# Altium PCB PCB3.PcbDoc (part 4 of 5) (continued)
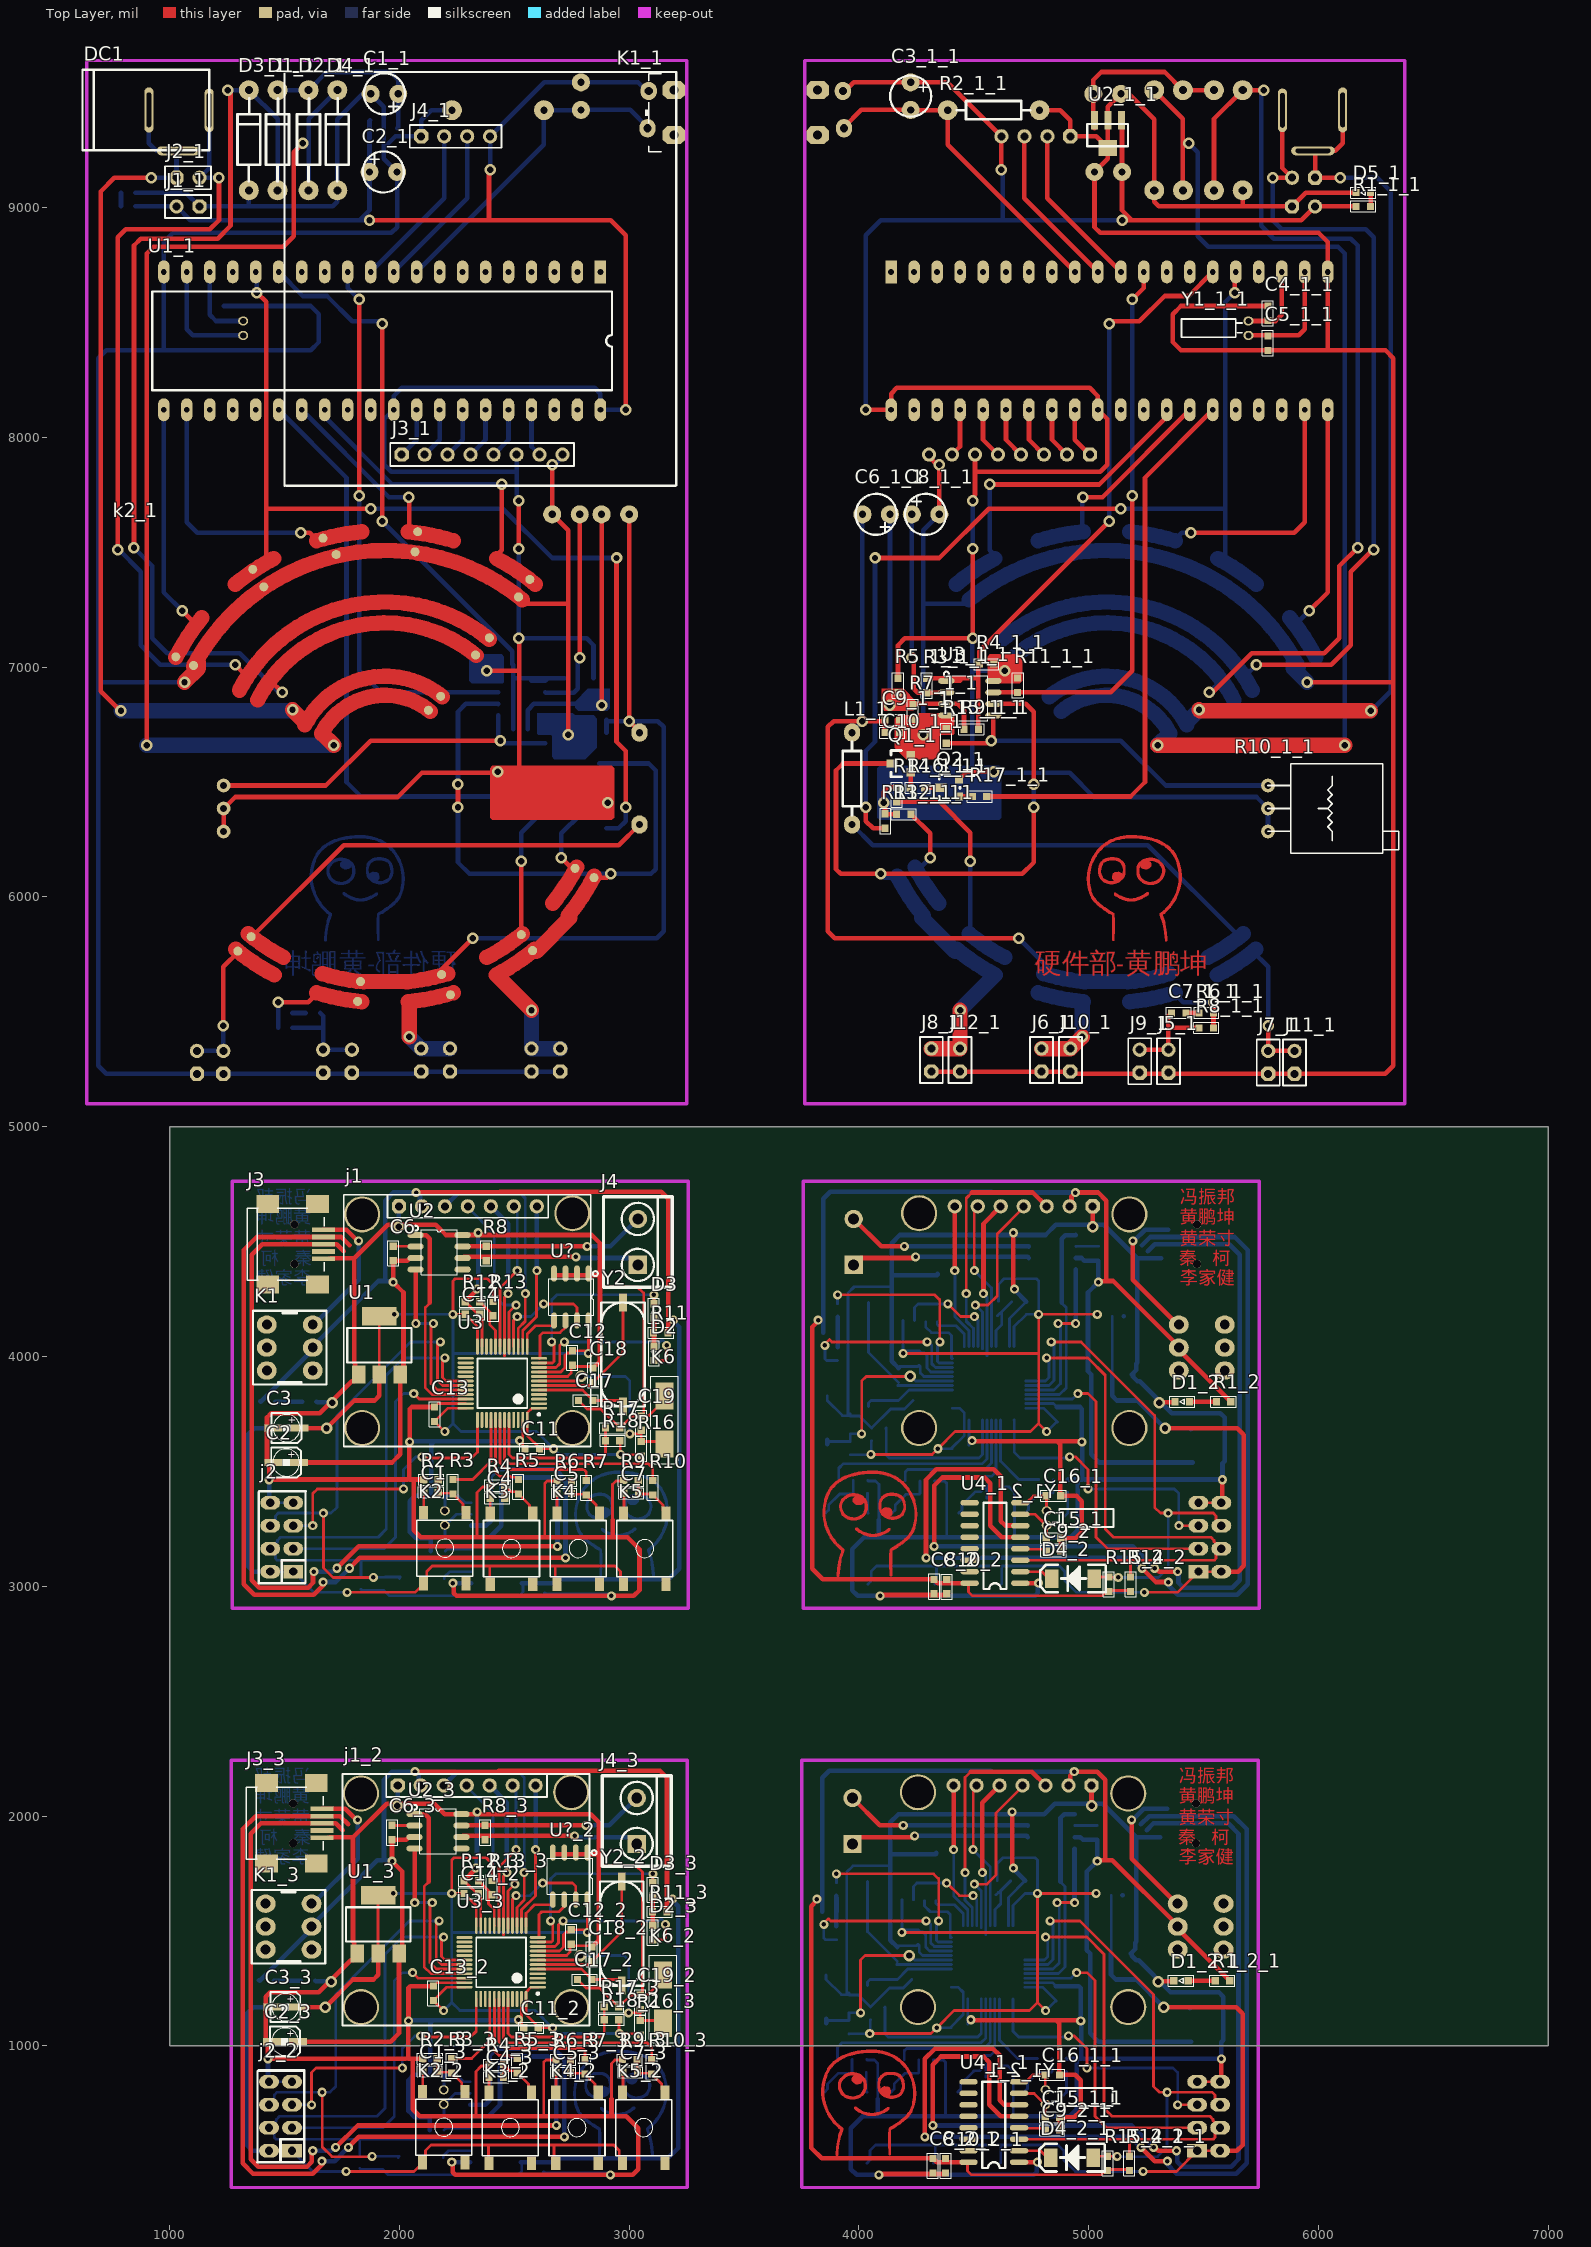
[diagram p0: Top Layer view]
## Nets (pads, with @x,y where several pads share a name; then routed paths per layer and width w, separated by ;. In a path a pad name is that pad's centre, name@x,y a point inside that pad or via, vN(x,y) a via of type N, cw(c..) or ccw(c..) an arc to the next point about the centre after c; other vN are vias at no path point) (continued)
2805,3418 ; 2793,3420 2807,3420 ; 2794,688 2810,688 ; 2794,908 2808,908 ; 2795,3212 2811,3212 ; 2795,3422 2807,3422 ; 2795,3424 2809,3424 ; 2796,686 2812,686 ; 2796,910 2810,910 ; 2796,912 2810,912 ; 2797,3210 2813,3210 ; 2797,3426 2811,3426 ; 2798,684 2814,684 ; 2798,914 2812,914 ; 2799,3208 2815,3208 ; 2799,3428 2813,3428 ; 2800,682 2816,682 ; 2800,916 2814,916 ; 2801,3206 2817,3206 ; 2801,3430 2815,3430 ; 2801,3432 2815,3432 ; 2802,680 2820,680 ; 2802,918 2816,918 ; 2802,920 2818,920 ; 2803,3204 2819,3204 ; 2803,3434 2817,3434 ; 2804,922 2820,922 ; 2805,3202 2821,3202 ; 2805,3436 2819,3436 ; 2806,678 2822,678 ; 2806,816 2818,816 ; 2806,818 2818,818 ; 2806,820 2816,820 ; 2806,822 2816,822 ; 2806,824 2816,824 ; 2806,826 2816,826 ; 2806,828 2816,828 ; 2806,830 2816,830 ; 2806,832 2816,832 ; 2806,834 2818,834 ; 2806,836 2818,836 ; 2806,838 2818,838 ; 2806,924 2822,924 ; 2807,3200 2825,3200 ; 2807,3438 2821,3438 ; 2807,3440 2823,3440 ; 2808,676 2824,676 ; 2808,808 2820,808 ; 2808,810 2820,810 ; 2808,812 2818,812 ; 2808,814 2818,814 ; 2808,840 2818,840 ; 2808,842 2818,842 ; 2808,844 2818,844 ; 2808,846 2820,846 ; 2808,848 2820,848 ; 2808,850 2820,850 ; 2808,926 2824,926 ; 2809,3442 2825,3442 ; 2810,674 2828,674 ; 2810,804 2822,804 ; 2810,806 2822,806 ; 2810,852 2822,852 ; 2810,854 2822,854 ; 2810,928 2826,928 ; 2811,3198 2827,3198 ; 2811,3336 2823,3336 ; 2811,3338 2823,3338 ; 2811,3340 2821,3340 ; 2811,3342 2821,3342 ; 2811,3344 2821,3344 ; 2811,3346 2821,3346 ; 2811,3348 2821,3348 ; 2811,3350 2821,3350 ; 2811,3352 2821,3352 ; 2811,3354 2823,3354 ; 2811,3356 2823,3356 ; 2811,3358 2823,3358 ; 2811,3444 2827,3444 ; 2812,672 2830,672 ; 2812,800 2824,800 ; 2812,802 2824,802 ; 2812,856 2824,856 ; 2812,858 2824,858 ; 2812,860 2826,860 ; 2812,930 2828,930 ; 2813,3196 2829,3196 ; 2813,3328 2825,3328 ; 2813,3330 2825,3330 ; 2813,3332 2823,3332 ; 2813,3334 2823,3334 ; 2813,3360 2823,3360 ; 2813,3362 2823,3362 ; 2813,3364 2823,3364 ; 2813,3366 2825,3366 ; 2813,3368 2825,3368 ; 2813,3370 2825,3370 ; 2813,3446 2829,3446 ; 2814,796 2828,796 ; 2814,798 2826,798 ; 2814,862 2828,862 ; 2814,932 2830,932 ; 2815,3194 2833,3194 ; 2815,3324 2827,3324 ; 2815,3326 2827,3326 ; 2815,3372 2827,3372 ; 2815,3374 2827,3374 ; 2815,3448 2831,3448 ; 2816,670 2832,670 ; 2816,794 2830,794 ; 2816,864 2828,864 ; 2816,866 2832,866 ; 2816,934 2832,934 ; 2817,3192 2835,3192 ; 2817,3320 2829,3320 ; 2817,3322 2829,3322 ; 2817,3376 2829,3376 ; 2817,3378 2829,3378 ; 2817,3380 2831,3380 ; 2817,3450 2833,3450 ; 2818,668 2836,668 ; 2818,790 2836,790 ; 2818,792 2832,792 ; 2818,868 2834,868 ; 2818,936 2836,936 ; 2819,3316 2833,3316 ; 2819,3318 2831,3318 ; 2819,3382 2833,3382 ; 2819,3452 2835,3452 ; 2820,666 2838,666 ; 2820,788 2840,788 ; 2820,870 2838,870 ; 2820,938 2838,938 ; 2821,3190 2837,3190 ; 2821,3314 2835,3314 ; 2821,3384 2833,3384 ; 2821,3386 2837,3386 ; 2821,3454 2837,3454 ; 2822,664 2842,664 ; 2822,786 2844,786 ; 2822,872 2842,872 ; 2823,3188 2841,3188 ; 2823,3310 2841,3310 ; 2823,3312 2837,3312 ; 2823,3388 2839,3388 ; 2823,3456 2841,3456 ; 2824,874 2852,874 ; 2824,940 2842,940 ; 2825,3186 2843,3186 ; 2825,3308 2845,3308 ; 2825,3390 2843,3390 ; 2825,3458 2843,3458 ; 2826,662 2844,662 ; 2826,784 2850,784 ; 2826,876 2904,876 ; 2826,942 2844,942 ; 2827,3184 2847,3184 ; 2827,3306 2849,3306 ; 2827,3392 2847,3392 ; 2828,660 2848,660 ; 2828,782 2900,782 ; 2828,944 2846,944 ; 2829,3394 2857,3394 ; 2829,3460 2847,3460 ; 2830,658 2850,658 ; 2830,780 2896,780 ; 2830,878 2902,878 ; 2830,946 2850,946 ; 2831,3182 2849,3182 ; 2831,3304 2855,3304 ; 2831,3396 2909,3396 ; 2831,3462 2849,3462 ; 2833,3180 2853,3180 ; 2833,3302 2905,3302 ; 2833,3464 2851,3464 ; 2834,656 2854,656 ; 2834,778 2892,778 ; 2834,880 2898,880 ; 2834,948 2854,948 ; 2835,3178 2855,3178 ; 2835,3300 2901,3300 ; 2835,3398 2907,3398 ; 2835,3466 2855,3466 ; 2836,950 2856,950 ; 2838,654 2856,654 ; 2838,882 2894,882 ; 2838,952 2860,952 ; 2839,3176 2859,3176 ; 2839,3298 2897,3298 ; 2839,3400 2903,3400 ; 2839,3468 2859,3468 ; 2840,652 2860,652 ; 2840,776 2886,776 ; 2841,3470 2861,3470 ; 2842,650 2864,650 ; 2842,954 2864,954 ; 2843,3174 2861,3174 ; 2843,3402 2899,3402 ; 2843,3472 2865,3472 ; 2845,3172 2865,3172 ; 2845,3296 2891,3296 ; 2846,648 2868,648 ; 2846,774 2880,774 ; 2846,884 2888,884 ; 2846,956 2870,956 ; 2847,3170 2869,3170 ; 2847,3474 2869,3474 ; 2848,646 2870,646 ; 2850,958 2874,958 ; 2851,3168 2873,3168 ; 2851,3294 2885,3294 ; 2851,3404 2893,3404 ; 2851,3476 2875,3476 ; 2852,644 2874,644 ; 2852,960 2878,960 ; 2853,3166 2875,3166 ; 2855,3478 2879,3478 ; 2856,642 2874,642 ; 2856,772 2870,772 ; 2856,962 2884,962 ; 2857,3164 2879,3164 ; 2857,3480 2883,3480 ; 2858,886 2876,886 ; 2860,640 2876,640 ; 2860,964 2890,964 ; 2861,3162 2879,3162 ; 2861,3292 2875,3292 ; 2861,3482 2889,3482 ; 2863,3406 2881,3406 ; 2864,638 2876,638 ; 2865,3160 2881,3160 ; 2865,3484 2895,3484 ; 2866,528 2876,528 ; 2866,530 2876,530 ; 2866,532 2876,532 ; 2866,534 2876,534 ; 2866,536 2876,536 ; 2866,538 2876,538 ; 2866,540 2876,540 ; 2866,542 2876,542 ; 2866,544 2876,544 ; 2866,546 2876,546 ; 2866,548 2876,548 ; 2866,550 2876,550 ; 2866,552 2876,552 ; 2866,554 2876,554 ; 2866,556 2878,556 ; 2866,558 2876,558 ; 2866,560 2878,560 ; 2866,562 2878,562 ; 2866,564 2878,564 ; 2866,566 2878,566 ; 2866,568 2878,568 ; 2866,570 2878,570 ; 2866,572 2878,572 ; 2866,574 2878,574 ; 2866,576 2878,576 ; 2866,578 2878,578 ; 2866,580 2878,580 ; 2866,582 2878,582 ; 2866,584 2878,584 ; 2866,586 2878,586 ; 2866,588 2878,588 ; 2866,590 2878,590 ; 2866,592 2878,592 ; 2866,594 2878,594 ; 2866,596 2878,596 ; 2866,598 2878,598 ; 2866,600 2878,600 ; 2866,602 2878,602 ; 2866,604 2878,604 ; 2866,606 2878,606 ; 2866,608 2878,608 ; 2866,610 2878,610 ; 2866,612 2878,612 ; 2866,614 2878,614 ; 2866,616 2878,616 ; 2866,618 2878,618 ; 2866,620 2878,620 ; 2866,622 2878,622 ; 2866,624 2878,624 ; 2866,626 2876,626 ; 2866,628 2876,628 ; 2866,630 2876,630 ; 2866,632 2876,632 ; 2866,634 2876,634 ; 2866,636 2876,636 ; 2866,796 2914,796 ; 2866,798 2914,798 ; 2866,800 2916,800 ; 2866,802 2918,802 ; 2866,804 2918,804 ; 2866,806 2920,806 ; 2866,966 2898,966 ; 2868,526 2874,526 ; 2868,792 2910,792 ; 2868,794 2912,794 ; 2868,808 2920,808 ; 2868,810 2920,810 ; 2868,812 2922,812 ; 2868,814 2922,814 ; 2869,3158 2881,3158 ; 2870,788 2906,788 ; 2870,790 2908,790 ; 2870,816 2908,816 ; 2870,968 2906,968 ; 2871,3048 2881,3048 ; 2871,3050 2881,3050 ; 2871,3052 2881,3052 ; 2871,3054 2881,3054 ; 2871,3056 2881,3056 ; 2871,3058 2881,3058 ; 2871,3060 2881,3060 ; 2871,3062 2881,3062 ; 2871,3064 2881,3064 ; 2871,3066 2881,3066 ; 2871,3068 2881,3068 ; 2871,3070 2881,3070 ; 2871,3072 2881,3072 ; 2871,3074 2881,3074 ; 2871,3076 2883,3076 ; 2871,3078 2881,3078 ; 2871,3080 2883,3080 ; 2871,3082 2883,3082 ; 2871,3084 2883,3084 ; 2871,3086 2883,3086 ; 2871,3088 2883,3088 ; 2871,3090 2883,3090 ; 2871,3092 2883,3092 ; 2871,3094 2883,3094 ; 2871,3096 2883,3096 ; 2871,3098 2883,3098 ; 2871,3100 2883,3100 ; 2871,3102 2883,3102 ; 2871,3104 2883,3104 ; 2871,3106 2883,3106 ; 2871,3108 2883,3108 ; 2871,3110 2883,3110 ; 2871,3112 2883,3112 ; 2871,3114 2883,3114 ; 2871,3116 2883,3116 ; 2871,3118 2883,3118 ; 2871,3120 2883,3120 ; 2871,3122 2883,3122 ; 2871,3124 2883,3124 ; 2871,3126 2883,3126 ; 2871,3128 2883,3128 ; 2871,3130 2883,3130 ; 2871,3132 2883,3132 ; 2871,3134 2883,3134 ; 2871,3136 2883,3136 ; 2871,3138 2883,3138 ; 2871,3140 2883,3140 ; 2871,3142 2883,3142 ; 2871,3144 2883,3144 ; 2871,3146 2881,3146 ; 2871,3148 2881,3148 ; 2871,3150 2881,3150 ; 2871,3152 2881,3152 ; 2871,3154 2881,3154 ; 2871,3156 2881,3156 ; 2871,3316 2919,3316 ; 2871,3318 2919,3318 ; 2871,3320 2921,3320 ; 2871,3322 2923,3322 ; 2871,3324 2923,3324 ; 2871,3326 2925,3326 ; 2871,3486 2903,3486 ; 2872,818 2906,818 ; 2873,3046 2879,3046 ; 2873,3312 2915,3312 ; 2873,3314 2917,3314 ; 2873,3328 2925,3328 ; 2873,3330 2925,3330 ; 2873,3332 2927,3332 ; 2873,3334 2927,3334 ; 2874,726 2890,726 ; 2874,728 2888,728 ; 2874,730 2884,730 ; 2874,732 2882,732 ; 2874,784 2902,784 ; 2874,786 2904,786 ; 2874,820 2904,820 ; 2874,970 2920,970 ; 2875,3308 2911,3308 ; 2875,3310 2913,3310 ; 2875,3336 2913,3336 ; 2875,3488 2911,3488 ; 2876,724 2894,724 ; 2877,3338 2911,3338 ; 2878,722 2896,722 ; 2878,822 2900,822 ; 2879,3246 2895,3246 ; 2879,3248 2893,3248 ; 2879,3250 2889,3250 ; 2879,3252 2887,3252 ; 2879,3304 2907,3304 ; 2879,3306 2909,3306 ; 2879,3340 2909,3340 ; 2879,3490 2925,3490 ; 2880,720 2900,720 ; 2880,972 3038,972 ; 2881,3244 2899,3244 ; 2882,718 2906,718 ; 2883,3242 2901,3242 ; 2883,3342 2905,3342 ; 2884,874 2906,874 ; 2885,3240 2905,3240 ; 2885,3492 3043,3492 ; 2886,716 2910,716 ; 2886,974 3030,974 ; 2887,3238 2911,3238 ; 2889,3394 2911,3394 ; 2890,714 2914,714 ; 2890,872 2910,872 ; 2891,3236 2915,3236 ; 2891,3494 3035,3494 ; 2892,712 2920,712 ; 2892,824 2894,824 ; 2894,870 2912,870 ; 2894,976 3020,976 ; 2895,3234 2919,3234 ; 2895,3392 2915,3392 ; 2896,710 2928,710 ; 2897,3232 2925,3232 ; 2897,3344 2899,3344 ; 2898,868 2912,868 ; 2899,3390 2917,3390 ; 2899,3496 3025,3496 ; 2900,708 2938,708 ; 2900,866 2914,866 ; 2901,3230 2933,3230 ; 2902,864 2916,864 ; 2902,978 3012,978 ; 2903,3388 2917,3388 ; 2904,862 2916,862 ; 2905,3228 2943,3228 ; 2905,3386 2919,3386 ; 2906,706 2992,706 ; 2906,858 2920,858 ; 2906,860 2918,860 ; 2907,3384 2921,3384 ; 2907,3498 3017,3498 ; 2908,854 2920,854 ; 2908,856 2920,856 ; 2909,3382 2921,3382 ; 2910,704 2986,704 ; 2910,850 2922,850 ; 2910,852 2922,852 ; 2911,3226 2997,3226 ; 2911,3378 2925,3378 ; 2911,3380 2923,3380 ; 2912,816 2922,816 ; 2912,818 2924,818 ; 2912,820 2924,820 ; 2912,822 2924,822 ; 2912,824 2924,824 ; 2912,840 2924,840 ; 2912,842 2924,842 ; 2912,844 2924,844 ; 2912,846 2922,846 ; 2912,848 2922,848 ; 2913,3374 2925,3374 ; 2913,3376 2925,3376 ; 2914,826 2924,826 ; 2914,828 2924,828 ; 2914,830 2924,830 ; 2914,832 2924,832 ; 2914,834 2924,834 ; 2914,836 2924,836 ; 2914,838 2924,838 ; 2914,980 2996,980 ; 2915,3224 2991,3224 ; 2915,3370 2927,3370 ; 2915,3372 2927,3372 ; 2916,702 2980,702 ; 2917,3336 2927,3336 ; 2917,3338 2929,3338 ; 2917,3340 2929,3340 ; 2917,3342 2929,3342 ; 2917,3344 2929,3344 ; 2917,3360 2929,3360 ; 2917,3362 2929,3362 ; 2917,3364 2929,3364 ; 2917,3366 2927,3366 ; 2917,3368 2927,3368 ; 2919,3346 2929,3346 ; 2919,3348 2929,3348 ; 2919,3350 2929,3350 ; 2919,3352 2929,3352 ; 2919,3354 2929,3354 ; 2919,3356 2929,3356 ; 2919,3358 2929,3358 ; 2919,3500 3001,3500 ; 2921,3222 2985,3222 ; 2922,700 2974,700 ; 2927,3220 2979,3220 ; 2928,982 2974,982 ; 2932,698 2966,698 ; 2933,3502 2979,3502 ; 2937,3218 2971,3218 ; 2958,708 2996,708 ; 2963,3228 3001,3228 ; 2970,710 3000,710 ; 2972,816 2984,816 ; 2972,818 2984,818 ; 2972,820 2984,820 ; 2972,822 2984,822 ; 2972,824 2984,824 ; 2972,826 2984,826 ; 2972,828 2984,828 ; 2972,830 2984,830 ; 2972,832 2984,832 ; 2972,834 2984,834 ; 2972,836 2984,836 ; 2974,810 2986,810 ; 2974,812 2986,812 ; 2974,814 2984,814 ; 2974,838 2984,838 ; 2974,840 2984,840 ; 2974,842 2984,842 ; 2974,844 2986,844 ; 2974,846 2986,846 ; 2974,848 2986,848 ; 2975,3230 3005,3230 ; 2976,712 3002,712 ; 2976,804 2988,804 ; 2976,806 2988,806 ; 2976,808 2986,808 ; 2976,850 2988,850 ; 2976,852 3036,852 ; 2977,3336 2989,3336 ; 2977,3338 2989,3338 ; 2977,3340 2989,3340 ; 2977,3342 2989,3342 ; 2977,3344 2989,3344 ; 2977,3346 2989,3346 ; 2977,3348 2989,3348 ; 2977,3350 2989,3350 ; 2977,3352 2989,3352 ; 2977,3354 2989,3354 ; 2977,3356 2989,3356 ; 2978,800 2990,800 ; 2978,802 2990,802 ; 2978,854 3036,854 ; 2978,856 3036,856 ; 2979,3330 2991,3330 ; 2979,3332 2991,3332 ; 2979,3334 2989,3334 ; 2979,3358 2989,3358 ; 2979,3360 2989,3360 ; 2979,3362 2989,3362 ; 2979,3364 2991,3364 ; 2979,3366 2991,3366 ; 2979,3368 2991,3368 ; 2980,796 2994,796 ; 2980,798 2992,798 ; 2980,858 3036,858 ; 2980,860 3036,860 ; 2981,3232 3007,3232 ; 2981,3324 2993,3324 ; 2981,3326 2993,3326 ; 2981,3328 2991,3328 ; 2981,3370 2993,3370 ; 2981,3372 3041,3372 ; 2982,714 3008,714 ; 2982,794 2996,794 ; 2982,862 3034,862 ; 2983,3320 2995,3320 ; 2983,3322 2995,3322 ; 2983,3374 3041,3374 ; 2983,3376 3041,3376 ; 2984,790 3000,790 ; 2984,792 2998,792 ; 2984,864 3034,864 ; 2985,3316 2999,3316 ; 2985,3318 2997,3318 ; 2985,3378 3041,3378 ; 2985,3380 3041,3380 ; 2986,788 3004,788 ; 2986,866 3032,866 ; 2986,970 3044,970 ; 2987,3234 3013,3234 ; 2987,3314 3001,3314 ; 2987,3382 3039,3382 ; 2988,716 3010,716 ; 2988,786 3006,786 ; 2988,868 3030,868 ; 2989,3310 3005,3310 ; 2989,3312 3003,3312 ; 2989,3384 3039,3384 ; 2990,784 3010,784 ; 2990,846 3032,846 ; 2990,848 3034,848 ; 2990,850 3036,850 ; 2990,870 3028,870 ; 2991,3308 3009,3308 ; 2991,3386 3037,3386 ; 2991,3490 3049,3490 ; 2992,718 3012,718 ; 2992,844 3030,844 ; 2992,872 3024,872 ; 2993,3236 3015,3236 ; 2993,3306 3011,3306 ; 2993,3388 3035,3388 ; 2994,782 3016,782 ; 2994,842 3028,842 ; 2994,874 3070,874 ; 2995,3304 3015,3304 ; 2995,3366 3037,3366 ; 2995,3368 3039,3368 ; 2995,3370 3041,3370 ; 2995,3390 3033,3390 ; 2996,720 3016,720 ; 2996,780 3024,780 ; 2996,840 3026,840 ; 2997,3238 3017,3238 ; 2997,3364 3035,3364 ; 2997,3392 3029,3392 ; 2998,722 3018,722 ; 2998,778 3068,778 ; 2998,876 3066,876 ; 2999,3302 3021,3302 ; 2999,3362 3033,3362 ; 2999,3394 3075,3394 ; 3000,838 3022,838 ; 3001,3240 3021,3240 ; 3001,3300 3029,3300 ; 3001,3360 3031,3360 ; 3002,724 3022,724 ; 3002,776 3064,776 ; 3002,878 3062,878 ; 3003,3242 3023,3242 ; 3003,3298 3073,3298 ; 3003,3396 3071,3396 ; 3004,968 3050,968 ; 3005,3358 3027,3358 ; 3006,726 3024,726 ; 3006,774 3060,774 ; 3007,3244 3027,3244 ; 3007,3296 3069,3296 ; 3007,3398 3067,3398 ; 3008,728 3026,728 ; 3008,836 3018,836 ; 3008,880 3058,880 ; 3009,3488 3055,3488 ; 3010,730 3026,730 ; 3011,3246 3029,3246 ; 3011,3294 3065,3294 ; 3012,772 3054,772 ; 3013,3248 3031,3248 ; 3013,3356 3023,3356 ; 3013,3400 3063,3400 ; 3014,732 3026,732 ; 3014,882 3052,882 ; 3015,3250 3031,3250 ; 3016,734 3024,734 ; 3016,966 3056,966 ; 3017,3292 3059,3292 ; 3019,3252 3031,3252 ; 3019,3402 3057,3402 ; 3020,770 3046,770 ; 3021,3254 3029,3254 ; 3021,3486 3061,3486 ; 3024,964 3062,964 ; 3025,3290 3051,3290 ; 3026,884 3042,884 ; 3029,3484 3067,3484 ; 3031,3404 3047,3404 ; 3032,962 3066,962 ; 3037,3482 3071,3482 ; 3038,780 3070,780 ; 3040,960 3072,960 ; 3043,3300 3075,3300 ; 3045,3480 3077,3480 ; 3046,958 3076,958 ; 3048,872 3072,872 ; 3050,782 3074,782 ; 3051,3478 3081,3478 ; 3052,956 3080,956 ; 3053,3392 3077,3392 ; 3054,870 3074,870 ; 3055,3302 3079,3302 ; 3056,784 3076,784 ; 3057,3476 3085,3476 ; 3058,868 3076,868 ; 3058,954 3084,954 ; 3059,3390 3079,3390 ; 3060,786 3078,786 ; 3061,3304 3081,3304 ; 3062,788 3080,788 ; 3062,866 3078,866 ; 3062,952 3086,952 ; 3063,3388 3081,3388 ; 3063,3474 3089,3474 ; 3064,864 3080,864 ; 3065,3306 3083,3306 ; 3066,790 3082,790 ; 3066,862 3082,862 ; 3066,950 3090,950 ; 3067,3308 3085,3308 ; 3067,3386 3083,3386 ; 3067,3472 3091,3472 ; 3068,792 3084,792 ; 3069,3384 3085,3384 ; 3070,794 3084,794 ; 3070,860 3084,860 ; 3070,948 3094,948 ; 3071,3310 3087,3310 ; 3071,3382 3087,3382 ; 3071,3470 3095,3470 ; 3072,796 3086,796 ; 3072,858 3086,858 ; 3073,3312 3089,3312 ; 3074,634 3086,634 ; 3074,636 3086,636 ; 3074,638 3086,638 ; 3074,640 3088,640 ; 3074,642 3092,642 ; 3074,798 3086,798 ; 3074,854 3088,854 ; 3074,856 3086,856 ; 3075,3314 3089,3314 ; 3075,3380 3089,3380 ; 3075,3468 3099,3468 ; 3076,628 3088,628 ; 3076,630 3088,630 ; 3076,632 3086,632 ; 3076,644 3094,644 ; 3076,800 3088,800 ; 3076,802 3088,802 ; 3076,852 3090,852 ; 3076,946 3098,946 ; 3077,3316 3091,3316 ; 3077,3378 3091,3378 ; 3078,622 3090,622 ; 3078,624 3090,624 ; 3078,626 3088,626 ; 3078,646 3096,646 ; 3078,804 3090,804 ; 3078,806 3090,806 ; 3078,850 3090,850 ; 3079,3154 3091,3154 ; 3079,3156 3091,3156 ; 3079,3158 3091,3158 ; 3079,3160 3093,3160 ; 3079,3162 3097,3162 ; 3079,3318 3091,3318 ; 3079,3374 3093,3374 ; 3079,3376 3091,3376 ; 3080,616 3092,616 ; 3080,618 3092,618 ; 3080,620 3092,620 ; 3080,648 3098,648 ; 3080,808 3092,808 ; 3080,810 3092,810 ; 3080,846 3092,846 ; 3080,848 3092,848 ; 3080,944 3100,944 ; 3081,3148 3093,3148 ; 3081,3150 3093,3150 ; 3081,3152 3091,3152 ; 3081,3164 3099,3164 ; 3081,3320 3093,3320 ; 3081,3322 3093,3322 ; 3081,3372 3095,3372 ; 3081,3466 3103,3466 ; 3082,610 3094,610 ; 3082,612 3094,612 ; 3082,614 3092,614 ; 3082,812 3092,812 ; 3082,814 3094,814 ; 3082,816 3094,816 ; 3082,818 3094,818 ; 3082,840 3094,840 ; 3082,842 3094,842 ; 3082,844 3092,844 ; 3082,942 3102,942 ; 3083,3142 3095,3142 ; 3083,3144 3095,3144 ; 3083,3146 3093,3146 ; 3083,3166 3101,3166 ; 3083,3324 3095,3324 ; 3083,3326 3095,3326 ; 3083,3370 3095,3370 ; 3084,604 3096,604 ; 3084,606 3096,606 ; 3084,608 3094,608 ; 3084,650 3100,650 ; 3084,820 3094,820 ; 3084,822 3094,822 ; 3084,824 3096,824 ; 3084,826 3096,826 ; 3084,828 3096,828 ; 3084,830 3096,830 ; 3084,832 3096,832 ; 3084,834 3096,834 ; 3084,836 3094,836 ; 3084,838 3094,838 ; 3085,3136 3097,3136 ; 3085,3138 3097,3138 ; 3085,3140 3097,3140 ; 3085,3168 3103,3168 ; 3085,3328 3097,3328 ; 3085,3330 3097,3330 ; 3085,3366 3097,3366 ; 3085,3368 3097,3368 ; 3085,3464 3105,3464 ; 3086,594 3098,594 ; 3086,596 3098,596 ; 3086,598 3096,598 ; 3086,600 3096,600 ; 3086,602 3096,602 ; 3086,652 3102,652 ; 3086,940 3106,940 ; 3087,3130 3099,3130 ; 3087,3132 3099,3132 ; 3087,3134 3097,3134 ; 3087,3332 3097,3332 ; 3087,3334 3099,3334 ; 3087,3336 3099,3336 ; 3087,3338 3099,3338 ; 3087,3360 3099,3360 ; 3087,3362 3099,3362 ; 3087,3364 3097,3364 ; 3087,3462 3107,3462 ; 3088,584 3100,584 ; 3088,586 3100,586 ; 3088,588 3100,588 ; 3088,590 3098,590 ; 3088,592 3098,592 ; 3088,654 3104,654 ; 3089,3124 3101,3124 ; 3089,3126 3101,3126 ; 3089,3128 3099,3128 ; 3089,3170 3105,3170 ; 3089,3340 3099,3340 ; 3089,3342 3099,3342 ; 3089,3344 3101,3344 ; 3089,3346 3101,3346 ; 3089,3348 3101,3348 ; 3089,3350 3101,3350 ; 3089,3352 3101,3352 ; 3089,3354 3101,3354 ; 3089,3356 3099,3356 ; 3089,3358 3099,3358 ; 3090,572 3102,572 ; 3090,574 3102,574 ; 3090,576 3102,576 ; 3090,578 3100,578 ; 3090,580 3100,580 ; 3090,582 3100,582 ; 3090,656 3106,656 ; 3090,938 3108,938 ; 3091,3114 3103,3114 ; 3091,3116 3103,3116 ; 3091,3118 3101,3118 ; 3091,3120 3101,3120 ; 3091,3122 3101,3122 ; 3091,3172 3107,3172 ; 3091,3460 3111,3460 ; 3092,554 3104,554 ; 3092,556 3104,556 ; 3092,558 3104,558 ; 3092,560 3104,560 ; 3092,562 3104,562 ; 3092,564 3102,564 ; 3092,566 3102,566 ; 3092,568 3102,568 ; 3092,570 3102,570 ; 3092,936 3112,936 ; 3093,3104 3105,3104 ; 3093,3106 3105,3106 ; 3093,3108 3105,3108 ; 3093,3110 3103,3110 ; 3093,3112 3103,3112 ; 3093,3174 3109,3174 ; 3094,536 3106,536 ; 3094,538 3106,538 ; 3094,540 3106,540 ; 3094,542 3106,542 ; 3094,544 3104,544 ; 3094,546 3104,546 ; 3094,548 3104,548 ; 3094,550 3104,550 ; 3094,552 3104,552 ; 3094,658 3108,658 ; 3095,3092 3107,3092 ; 3095,3094 3107,3094 ; 3095,3096 3107,3096 ; 3095,3098 3105,3098 ; 3095,3100 3105,3100 ; 3095,3102 3105,3102 ; 3095,3176 3111,3176 ; 3095,3458 3113,3458 ; 3096,526 3106,526 ; 3096,528 3106,528 ; 3096,530 3106,530 ; 3096,532 3106,532 ; 3096,534 3106,534 ; 3096,660 3110,660 ; 3096,934 3114,934 ; 3097,3074 3109,3074 ; 3097,3076 3109,3076 ; 3097,3078 3109,3078 ; 3097,3080 3109,3080 ; 3097,3082 3109,3082 ; 3097,3084 3107,3084 ; 3097,3086 3107,3086 ; 3097,3088 3107,3088 ; 3097,3090 3107,3090 ; 3097,3456 3117,3456 ; 3098,524 3104,524 ; 3098,662 3112,662 ; 3098,932 3116,932 ; 3099,3056 3111,3056 ; 3099,3058 3111,3058 ; 3099,3060 3111,3060 ; 3099,3062 3111,3062 ; 3099,3064 3109,3064 ; 3099,3066 3109,3066 ; 3099,3068 3109,3068 ; 3099,3070 3109,3070 ; 3099,3072 3109,3072 ; 3099,3178 3113,3178 ; 3100,664 3114,664 ; 3100,930 3118,930 ; 3101,3046 3111,3046 ; 3101,3048 3111,3048 ; 3101,3050 3111,3050 ; 3101,3052 3111,3052 ; 3101,3054 3111,3054 ; 3101,3180 3115,3180 ; 3101,3454 3119,3454 ; 3102,666 3116,666 ; 3103,3044 3109,3044 ; 3103,3182 3117,3182 ; 3103,3452 3121,3452 ; 3104,668 3118,668 ; 3104,928 3120,928 ; 3105,3184 3119,3184 ; 3105,3450 3123,3450 ; 3106,670 3120,670 ; 3106,672 3122,672 ; 3106,926 3122,926 ; 3107,3186 3121,3186 ; 3108,674 3122,674 ; 3108,924 3124,924 ; 3109,3188 3123,3188 ; 3109,3448 3125,3448 ; 3110,676 3124,676 ; 3110,922 3126,922 ; 3111,3190 3125,3190 ; 3111,3192 3127,3192 ; 3111,3446 3127,3446 ; 3112,678 3126,678 ; 3113,3194 3127,3194 ; 3113,3444 3129,3444 ; 3114,680 3128,680 ; 3114,682 3128,682 ; 3114,918 3130,918 ; 3114,920 3128,920 ; 3115,3196 3129,3196 ; 3115,3442 3131,3442 ; 3116,684 3130,684 ; 3116,916 3132,916 ; 3117,3198 3131,3198 ; 3118,686 3132,686 ; 3118,914 3134,914 ; 3119,3200 3133,3200 ; 3119,3202 3133,3202 ; 3119,3438 3135,3438 ; 3119,3440 3133,3440 ; 3120,688 3132,688 ; 3120,690 3134,690 ; 3120,912 3134,912 ; 3121,3204 3135,3204 ; 3121,3436 3137,3436 ; 3122,692 3136,692 ; 3122,910 3136,910 ; 3123,3206 3137,3206 ; 3123,3434 3139,3434 ; 3124,694 3136,694 ; 3124,696 3138,696 ; 3124,908 3138,908 ; 3125,3208 3137,3208 ; 3125,3210 3139,3210 ; 3125,3432 3139,3432 ; 3126,698 3138,698 ; 3126,904 3140,904 ; 3126,906 3138,906 ; 3127,3212 3141,3212 ; 3127,3430 3141,3430 ; 3128,700 3140,700 ; 3128,702 3142,702 ; 3128,902 3142,902 ; 3129,3214 3141,3214 ; 3129,3216 3143,3216 ; 3129,3428 3143,3428 ; 3130,704 3142,704 ; 3130,706 3144,706 ; 3130,900 3142,900 ; 3131,3218 3143,3218 ; 3131,3424 3145,3424 ; 3131,3426 3143,3426 ; 3132,708 3144,708 ; 3132,896 3144,896 ; 3132,898 3144,898 ; 3133,3220 3145,3220 ; 3133,3222 3147,3222 ; 3133,3422 3147,3422 ; 3134,710 3146,710 ; 3134,712 3146,712 ; 3134,892 3146,892 ; 3134,894 3146,894 ; 3135,3224 3147,3224 ; 3135,3226 3149,3226 ; 3135,3420 3147,3420 ; 3136,714 3148,714 ; 3136,716 3148,716 ; 3136,888 3148,888 ; 3136,890 3148,890 ; 3137,3228 3149,3228 ; 3137,3416 3149,3416 ; 3137,3418 3149,3418 ; 3138,718 3150,718 ; 3138,720 3150,720 ; 3138,722 3150,722 ; 3138,884 3150,884 ; 3138,886 3150,886 ; 3139,3230 3151,3230 ; 3139,3232 3151,3232 ; 3139,3412 3151,3412 ; 3139,3414 3151,3414 ; 3140,724 3152,724 ; 3140,726 3152,726 ; 3140,880 3152,880 ; 3140,882 3152,882 ; 3141,3234 3153,3234 ; 3141,3236 3153,3236 ; 3141,3408 3153,3408 ; 3141,3410 3153,3410 ; 3142,728 3154,728 ; 3142,730 3154,730 ; 3142,876 3154,876 ; 3142,878 3154,878 ; 3143,3238 3155,3238 ; 3143,3240 3155,3240 ; 3143,3242 3155,3242 ; 3143,3404 3155,3404 ; 3143,3406 3155,3406 ; 3144,732 3154,732 ; 3144,734 3156,734 ; 3144,736 3156,736 ; 3144,870 3156,870 ; 3144,872 3156,872 ; 3144,874 3154,874 ; 3145,3244 3157,3244 ; 3145,3246 3157,3246 ; 3145,3400 3157,3400 ; 3145,3402 3157,3402 ; 3146,738 3156,738 ; 3146,740 3158,740 ; 3146,864 3158,864 ; 3146,866 3158,866 ; 3146,868 3156,868 ; 3147,3248 3159,3248 ; 3147,3250 3159,3250 ; 3147,3396 3159,3396 ; 3147,3398 3159,3398 ; 3148,742 3158,742 ; 3148,744 3158,744 ; 3148,746 3160,746 ; 3148,858 3160,858 ; 3148,860 3160,860 ; 3148,862 3158,862 ; 3149,3252 3159,3252 ; 3149,3254 3161,3254 ; 3149,3256 3161,3256 ; 3149,3390 3161,3390 ; 3149,3392 3161,3392 ; 3149,3394 3159,3394 ; 3150,748 3160,748 ; 3150,750 3160,750 ; 3150,752 3162,752 ; 3150,754 3162,754 ; 3150,756 3162,756 ; 3150,850 3162,850 ; 3150,852 3162,852 ; 3150,854 3160,854 ; 3150,856 3160,856 ; 3151,3258 3161,3258 ; 3151,3260 3163,3260 ; 3151,3384 3163,3384 ; 3151,3386 3163,3386 ; 3151,3388 3161,3388 ; 3152,758 3162,758 ; 3152,760 3164,760 ; 3152,762 3164,762 ; 3152,840 3164,840 ; 3152,842 3164,842 ; 3152,844 3164,844 ; 3152,846 3162,846 ; 3152,848 3162,848 ; 3153,3262 3163,3262 ; 3153,3264 3163,3264 ; 3153,3266 3165,3266 ; 3153,3378 3165,3378 ; 3153,3380 3165,3380 ; 3153,3382 3163,3382 ; 3154,764 3164,764 ; 3154,766 3164,766 ; 3154,768 3164,768 ; 3154,770 3166,770 ; 3154,772 3166,772 ; 3154,774 3166,774 ; 3154,828 3166,828 ; 3154,830 3166,830 ; 3154,832 3166,832 ; 3154,834 3166,834 ; 3154,836 3164,836 ; 3154,838 3164,838 ; 3155,3268 3165,3268 ; 3155,3270 3165,3270 ; 3155,3272 3167,3272 ; 3155,3274 3167,3274 ; 3155,3276 3167,3276 ; 3155,3370 3167,3370 ; 3155,3372 3167,3372 ; 3155,3374 3165,3374 ; 3155,3376 3165,3376 ; 3156,776 3166,776 ; 3156,778 3166,778 ; 3156,780 3166,780 ; 3156,782 3166,782 ; 3156,784 3168,784 ; 3156,786 3168,786 ; 3156,788 3168,788 ; 3156,790 3168,790 ; 3156,792 3168,792 ; 3156,794 3168,794 ; 3156,796 3168,796 ; 3156,798 3168,798 ; 3156,800 3168,800 ; 3156,802 3168,802 ; 3156,804 3168,804 ; 3156,806 3168,806 ; 3156,808 3168,808 ; 3156,810 3168,810 ; 3156,812 3168,812 ; 3156,814 3168,814 ; 3156,816 3168,816 ; 3156,818 3168,818 ; 3156,820 3166,820 ; 3156,822 3166,822 ; 3156,824 3166,824 ; 3156,826 3166,826 ; 3157,3278 3167,3278 ; 3157,3280 3169,3280 ; 3157,3282 3169,3282 ; 3157,3360 3169,3360 ; 3157,3362 3169,3362 ; 3157,3364 3169,3364 ; 3157,3366 3167,3366 ; 3157,3368 3167,3368 ; 3159,3284 3169,3284 ; 3159,3286 3169,3286 ; 3159,3288 3169,3288 ; 3159,3290 3171,3290 ; 3159,3292 3171,3292 ; 3159,3294 3171,3294 ; 3159,3348 3171,3348 ; 3159,3350 3171,3350 ; 3159,3352 3171,3352 ; 3159,3354 3171,3354 ; 3159,3356 3169,3356 ; 3159,3358 3169,3358 ; 3161,3296 3171,3296 ; 3161,3298 3171,3298 ; 3161,3300 3171,3300 ; 3161,3302 3171,3302 ; 3161,3304 3173,3304 ; 3161,3306 3173,3306 ; 3161,3308 3173,3308 ; 3161,3310 3173,3310 ; 3161,3312 3173,3312 ; 3161,3314 3173,3314 ; 3161,3316 3173,3316 ; 3161,3318 3173,3318 ; 3161,3320 3173,3320 ; 3161,3322 3173,3322 ; 3161,3324 3173,3324 ; 3161,3326 3173,3326 ; 3161,3328 3173,3328 ; 3161,3330 3173,3330 ; 3161,3332 3173,3332 ; 3161,3334 3173,3334 ; 3161,3336 3173,3336 ; 3161,3338 3173,3338 ; 3161,3340 3171,3340 ; 3161,3342 3171,3342 ; 3161,3344 3171,3344 ; 3161,3346 3171,3346